# Altium PCB Udemy_Talat.PcbDoc (part 2 of 2)
Units mm, origin at the board's own origin, x right, y up, seen from the top; angles counter-clockwise.
Board outline 96.6 x 97 mm, 4 copper layers (Top Layer, GROUND, POWER, Bottom Layer), stack 1.369 mm thick; 127 components, 88 nets, 449 pads, 75 vias.
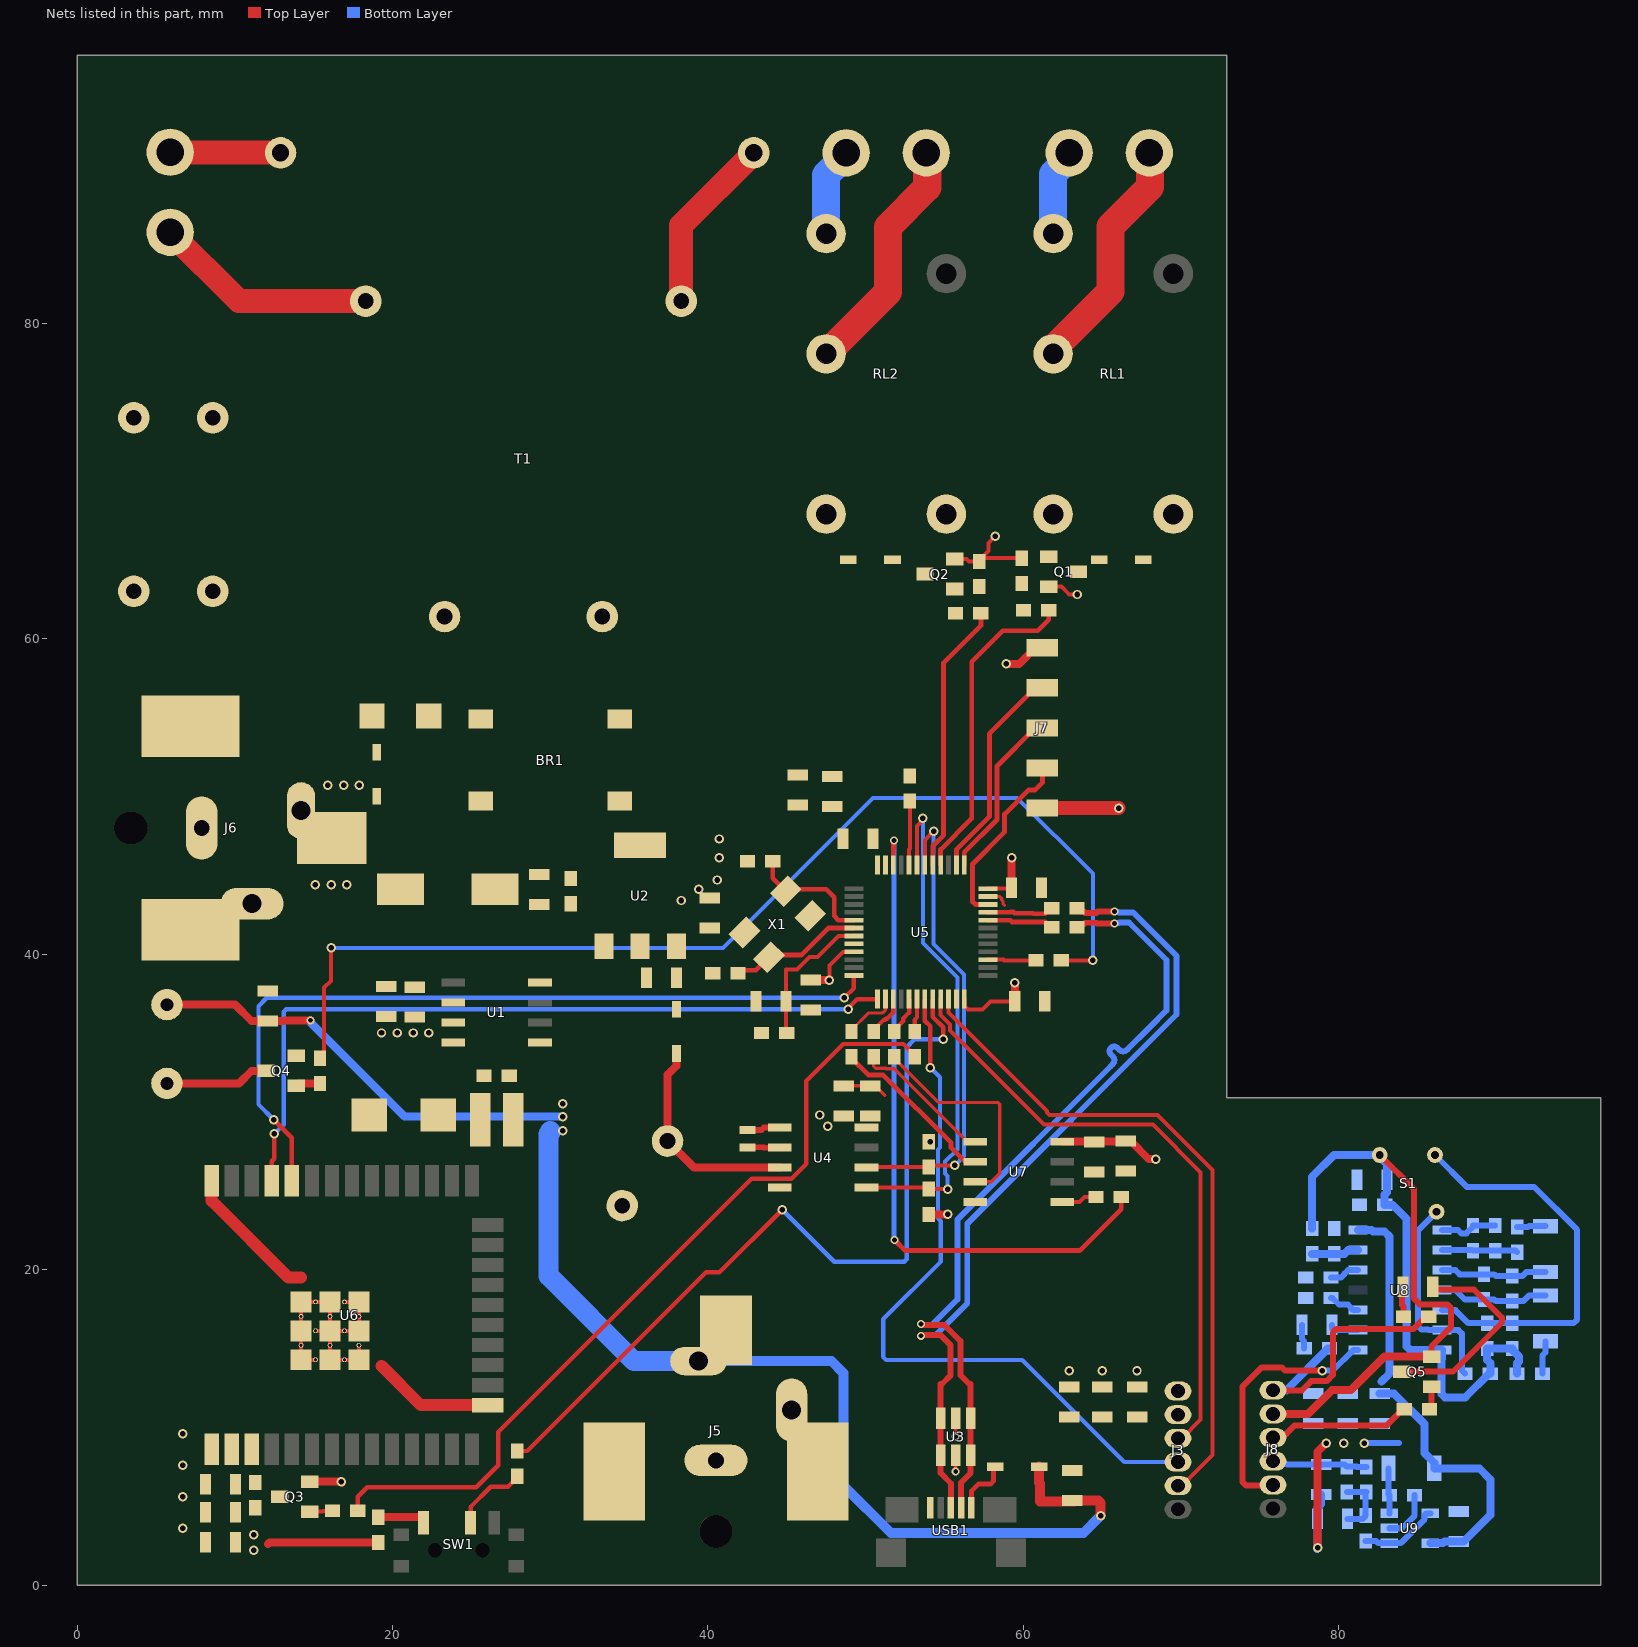
[diagram p4: the nets of this part, all layers, seen from the top]

## Part data (continued)
U8: library part NCS36000, "PIR Controller Low Noise Amplifiers and LDO Regulator 14-Pin SOIC N T/R", Case/Package=SOIC, Manufacturer="ON Semiconductor", Max Operating Temperature=85°C, Max Supply Voltage=5.75V, Min Operating Temperature=-40°C, Min Supply Voltage=3V, Operating Supply Current=50uA, Package Quantity=1, Quiescent Current=20uA, Supplier Part Number 1=NCS36000DRGOSCT-ND, Category="Amplifiers - Op Amps, Buffer, Instrumentation", ComponentLink1Description=https://datasheet.ciiva.com/1781/ncs36000-d-1781637.pdf?src-supplier=Digi-Key, ComponentLink1URL=https://datasheet.ciiva.com/1781/ncs36000-d-1781637.pdf?src-supplier=Digi-Key, ComponentLink2Description=https://datasheet.ciiva.com/4763/ncs36000-d-89569-4763639.pdf?src-supplier=Mouser, ComponentLink2URL=https://datasheet.ciiva.com/4763/ncs36000-d-89569-4763639.pdf?src-supplier=Mouser, ComponentLink3Description=https://datasheet.ciiva.com/1781/ncs36000-d-1781638.pdf?src-supplier=Digi-Key, ComponentLink3URL=https://datasheet.ciiva.com/1781/ncs36000-d-1781638.pdf?src-supplier=Digi-Key, ComponentLink4Description=https://datasheet.ciiva.com/1781/ncs36000-d-1781639.pdf?src-supplier=Digi-Key, ComponentLink4URL=https://datasheet.ciiva.com/1781/ncs36000-d-1781639.pdf?src-supplier=Digi-Key, ComponentLink5Description=https://datasheet.ciiva.com/26166/ncs36000-d-26166711.pdf?src-supplier=Avnet+Europe, ComponentLink5URL=https://datasheet.ciiva.com/26166/ncs36000-d-26166711.pdf?src-supplier=Avnet+Europe, ComponentLink6Description=https://datasheet.ciiva.com/2965/ncs36000-d-2965212.pdf?src-supplier=Avnet, ComponentLink6URL=https://datasheet.ciiva.com/2965/ncs36000-d-2965212.pdf?src-supplier=Avnet, ComponentLink7Description=https://datasheet.ciiva.com/2966/ncs36000-d-2966525.pdf?src-supplier=Avnet, ComponentLink7URL=https://datasheet.ciiva.com/2966/ncs36000-d-2966525.pdf?src-supplier=Avnet, Designed by=TALAT, Halogen Free="Halogen Free", Height=1.5mm, Lead Free="Lead Free", Length=8.75mm, Manufacturer Part Number=NCS36000DRG, Number of Pins=14, Output Type=Digital, Packaging="Tape and Reel", Pricing 1="1=1,00000, 10=0,89400, 25=0,84880, 100=0,65180, 250=0,57600, 500=0,54568, 1000=0,42442 (USD)", Radiation Hardening=No, REACH SVHC="No SVHC", RoHS=Yes, RoHS Compliant=Yes, Series=-, Stock 1=36750, Supplier 1=Digi-Key, Width=4mm, Input Type=DIGITAL
U9: library part OPA314, "Op Amp OPA314", Case/Package=SOT-23-5, Manufacturer="Texas Instruments", Max Dual Supply Voltage=2.75V, Max Operating Temperature=125°C, Max Supply Voltage=5.5V, Max I/O Voltage=2.5mV, Min Dual Supply Voltage=900mV, Min Operating Temperature=-40°C, Min Supply Voltage=1.8V, Nominal Supply Current=150uA, Output Current=20mA, Package Quantity=1, Power Supply Rejection Ratio (PSRR)=78dB, Supplier Part Number 1=296-36699-1-ND, Voltage Gain=128dB, Input Bias Current=10pA, Amplifier Type="GENERAL PURPOSE", Category="Amplifiers - Op Amps, Buffer, Instrumentation", Common Mode Rejection Ratio=75dB, ComponentLink1Description=https://datasheet.ciiva.com/14462/opa2314-14462006.pdf?src-supplier=Avnet, ComponentLink1URL=https://datasheet.ciiva.com/14462/opa2314-14462006.pdf?src-supplier=Avnet, ComponentLink2Description=https://datasheet.ciiva.com/26226/opa2314-26226295.pdf?src-supplier=Avnet+Europe, ComponentLink2URL=https://datasheet.ciiva.com/26226/opa2314-26226295.pdf?src-supplier=Avnet+Europe, ComponentLink3Description=https://datasheet.ciiva.com/14456/opa2314-14456281.pdf?src-supplier=Avnet, ComponentLink3URL=https://datasheet.ciiva.com/14456/opa2314-14456281.pdf?src-supplier=Avnet, ComponentLink4Description=https://datasheet.ciiva.com/29638/opa314-29638827.pdf?src-supplier=Digi-Key, ComponentLink4URL=https://datasheet.ciiva.com/29638/opa314-29638827.pdf?src-supplier=Digi-Key, Contact Plating=Gold, Designed by=TALAT, Gain Bandwidth Product=3MHz, Lead Free="Lead Free", Manufacturer Part Number=OPA314AIDBVR, Nominal Gain Bandwidth Product=3MHz, Number of Channels=1, Number of Circuits=1, Number of Elements=1, Number of Pins=5, Operating Supply Current=150uA, Output Current per Channel=20mA, Packaging="Tape and Reel", Pricing 1="1=1,06000, 10=0,95100, 25=0,90240, 100=0,69280, 250=0,61224, 500=0,58004, 1000=0,45114 (USD)", Radiation Hardening=No, RoHS=Yes, RoHS Compliant=Yes, Series=-, Slew Rate=1.5V/µs, Stock 1=964, Supplier 1=Digi-Key, Supply Current=150uA, Technology=CMOS, Unity Gain Bandwidth Product=3MHz, Input Offset Voltage (Vos)=2.5mV
USB1: library part "Micro B USB Connector", "CONN RCPT USB2.0 MICRO B SMD R/A", Color=Black, Current Rating=1.8A, Flammability Rating="UL94 V-0", Manufacturer="Amphenol FCI", Max Operating Temperature=85°C, Max Voltage Rating (AC)=100V, Min Operating Temperature=-55°C, Package Quantity=1400, Supplier Part Number 1=609-4613-2-ND, Insulation Resistance=1GR, Category="USB Connectors", ComponentLink1Description=https://datasheet.ciiva.com/26853/getdatasheetpartid-418041-26853891.pdf?src-supplier=Verical, ComponentLink1URL=https://datasheet.ciiva.com/26853/getdatasheetpartid-418041-26853891.pdf?src-supplier=Verical, ComponentLink2Description=https://datasheet.ciiva.com/851/10118192-851112.pdf?src-supplier=Digi-Key, ComponentLink2URL=https://datasheet.ciiva.com/851/10118192-851112.pdf?src-supplier=Digi-Key, ComponentLink3Description=https://datasheet.ciiva.com/4598/10118192ac-197249-4598796.pdf?src-supplier=Mouser, ComponentLink3URL=https://datasheet.ciiva.com/4598/10118192ac-197249-4598796.pdf?src-supplier=Mouser, Connector Type=USB,Receptacle, Contact Material="Copper Alloy", Contact Plating=Gold, Depth=5.57mm, Designed by=TALAT, Features=Shielded, Gender=Receptacle, Housing Material=Polymer, Lead Free="Lead Free", Length=7.86mm, Manufacturer Part Number=10118192-0001LF, Mount="Surface Mount,Horizontal", Number of Contacts=5, Number of Ports=1, Number of Terminals/Pins=5, Orientation="Right Angle", Packaging="Tape and Reel", Pitch=0.65mm, Pricing 1="1400=0,22558, 2800=0,20624, 7000=0,19335, 9800=0,18046, 14000=0,17402, 35000=0,17144 (USD)", Radiation Hardening=No, REACH SVHC="No SVHC", RoHS=Yes, Stock 1=158200, Supplier 1=Digi-Key, Termination=Solder, USB Standard="USB 2.0", Voltage Rating=100V
X1: library part "CRYSTAL 16MHz", "CRYSTAL 16.0000MHZ 20PF SMD", Case/Package=SMD/SMT, ESR (Equivalent Series Resistance)=50R, Frequency=16MHz, Frequency Stability=50ppm, Frequency Tolerance=30ppm, Load Capacitance=20pF, Manufacturer="ECS International", Max Operating Temperature=70°C, Min Operating Temperature=-20°C, Package Quantity=1, Supplier Part Number 1=XC1120CT-ND, Category=Crystals, ComponentLink1Description=https://datasheet.ciiva.com/853/ecx-53b-853408.pdf?src-supplier=Digi-Key, ComponentLink1URL=https://datasheet.ciiva.com/853/ecx-53b-853408.pdf?src-supplier=Digi-Key, ComponentLink2Description=https://datasheet.ciiva.com/853/ecx-53b-853406.pdf?src-supplier=Digi-Key, ComponentLink2URL=https://datasheet.ciiva.com/853/ecx-53b-853406.pdf?src-supplier=Digi-Key, ComponentLink3Description=https://datasheet.ciiva.com/853/ecx-53b-853407.pdf?src-supplier=Digi-Key, ComponentLink3URL=https://datasheet.ciiva.com/853/ecx-53b-853407.pdf?src-supplier=Digi-Key, Designed by=TALAT, Height=0.033inch, Lead Free="Lead Free", Length=0.197inch, Manufacturer Part Number=ECS-160-20-30B-TR, Mount="Surface Mount", Packaging="Tape and Reel", Pricing 1="1=1,33000, 10=1,26800, 50=1,23900, 100=1,06200, 500=1,03250 (USD)", RoHS=Yes, RoHS Compliant=Yes, Series=ECX-53B, Stock 1=15303, Supplier 1=Digi-Key, Termination=SMD/SMT, Tolerance=50ppm, Width=0.126inch
X2: library part "CRYSTAL 32768kHZ", "Crystal, 32.768 kHz, SMD, 1.6mm x 1mm, 12.5 pF, 20 ppm, ABS05 Series", Case/Package=SMD/SMT, ESR (Equivalent Series Resistance)=90kR, Frequency=32.768kHz, Frequency Tolerance=20ppm, Load Capacitance=12.5pF, Manufacturer=Abracon, Max Operating Temperature=85°C, Min Operating Temperature=-40°C, Operating Frequency="32.768 kHz", Package Quantity=3000, Supplier Part Number 1=535-11899-1-ND, Category=Crystals, ComponentLink1Description=https://datasheet.ciiva.com/23810/abs05-23810480.pdf?src-supplier=Newark, ComponentLink1URL=https://datasheet.ciiva.com/23810/abs05-23810480.pdf?src-supplier=Newark, ComponentLink2Description=https://datasheet.ciiva.com/6728/abs05-6728949.pdf?src-supplier=Digi-Key, ComponentLink2URL=https://datasheet.ciiva.com/6728/abs05-6728949.pdf?src-supplier=Digi-Key, ComponentLink3Description=https://datasheet.ciiva.com/6728/abs05-6728950.pdf?src-supplier=Digi-Key, ComponentLink3URL=https://datasheet.ciiva.com/6728/abs05-6728950.pdf?src-supplier=Digi-Key, ComponentLink4Description=https://datasheet.ciiva.com/16411/abs05-16411149.pdf?src-supplier=Future+Electronics, ComponentLink4URL=https://datasheet.ciiva.com/16411/abs05-16411149.pdf?src-supplier=Future+Electronics, Depth=1mm, Designed by=TALAT, Height=0.02inch, Lead Free="Lead Free", Length=1.6mm, Manufacturer Part Number=ABS05-32.768KHZ-T, Mount="Surface Mount", Number of Pins=2, Packaging="Tape and Reel", Pricing 1="1=1,16000, 10=1,02500, 50=0,95760, 100=0,84630, 500=0,80180, 1000=0,66816 (USD)", Radiation Hardening=No, REACH SVHC="No SVHC", RoHS=Yes, RoHS Compliant=Yes, Series=ABS05, Series Resistance=90kR, Stock 1=180522, Supplier 1=Digi-Key, Termination=SMD/SMT, Tolerance=20ppm, Width=0.039inch

## Via types
v1: diameter 0.6, hole 0.35, Top Layer to Bottom Layer, 59 vias
v2: diameter 0.5, hole 0.3, Top Layer to Bottom Layer, 9 vias
v3: diameter 0.5, hole 0.3, Top Layer to POWER, 4 vias
v4: diameter 0.5, hole 0.3, POWER to Bottom Layer, 3 vias

## Nets (pads, with @x,y where several pads share a name; then routed paths per layer and width w, separated by ;. In a path a pad name is that pad's centre, name@x,y a point inside that pad or via, vN(x,y) a via of type N, cw(c..) or ccw(c..) an arc to the next point about the centre after c; other vN are vias at no path point)
3V3DC: C8.2 C9.2 C10.2 C13.2 C14.2 C19.2 C20.2 C21.2 C22.2 C23.2 C24.2 C25.2 C26.2 C27.2 C28.2 C29.2 C31.2 C32.2 D5.2 J3.1 J7.1 R6.1 R14.2 R15.2 R16.1 U2.3 U3.5 U4.8 U5.9 U5.24 U5.36 U5.48 U6.2 U7.8 | length 33.3
  Top Layer w0.254: v1(47.7,38.35) 47.7,39.281 48.546,40.127 49.227,40.127 U5.9@49.25,40.15 ; v3(55.7,7.2) U3.5@55.7,8.225 ; U5.24@56.25,37.15 56.25,36.7 56.474,36.476 57.398,36.476 57.922,37 C28.2@59.45,37 ; U5.36@57.75,44.15 59.2,44.15 C27.2@59.25,44.2
  Top Layer w0.508: 12.1,2.6 12.2,2.7 R6.1@19.1,2.7 ; C29.2@46.5,38.35 v1(47.7,38.35) ; R14.2@54,23.5 v1(55.2,23.5) ; R15.2@54,28.1 v1(54.094,28.1) ; C27.2@59.25,44.2 v1(59.25,46.1) ; C28.2@59.45,37 v1(59.45,38.2) ; U7.8@62.45,28.105 66.455,28.105 C31.2@66.5,28.15 66.8,28.15 67.95,27 v1(68.4,27)
  Top Layer w0.889: J7.1@61.2,49.26 v1(66.04,49.26)
  other v1: 11.2,2.2 11.2,3.2 62.9,13.6 65,13.6 67.2,13.6 47.6,29.1 47.1,29.8 38.3,43.4 39.4,44.1 40.6,44.7 40.7,46.1 40.7,47.3
  other v2: 55.7,7.2
3V3DC_S: C34.2 C35.2 C40.2 C41.2 C42.2 C45.2 J8.1 R24.2 R26.2 R32.2 RT1.2 U8.14 U9.5 | length 47
  Top Layer w0.381: J8.1@75.821,12.347 77.66,12.347 78.244,12.932 79.223,12.932 79.614,13.323 79.614,16.015 79.838,16.238 84.735,16.238 85.294,16.797 85.497,16.797 R32.2@85.7,17
  Bottom Layer w0.508: J8.1@75.821,12.347 76.659,12.347 79.311,15 R26.2@79.4,15 ; U8.14@81.214,22.512 82.058,22.512 82.17,22.4 82.902,22.4 83.2,22.102 83.2,13.4 82.7,12.9 ; C42.2@82.574,12.153 83.478,12.153 85.42,10.211 85.42,8.38 86.05,7.75 RT1.2@86.05,7.4 88.9,7.4 89.6,6.7 89.6,4.45 87.9,2.75 C45.2@87.6,2.75 86.704,2.75 86.604,2.65 U9.5@85.8,2.65
5VDC: BZ1.2 C5.2 C6.1 C11.2 C12.2 C30.2 D3.1 J5.1 L1.2 U1.4 U2.1 | length 90.8
  Top Layer w0.508: BZ1.2@5.7,36.8 10.019,36.8 11.069,35.75 C30.2@12.1,35.75 13.131,35.75 13.181,35.8 v2(14.8,35.8)
  Top Layer w0.635: D3.1@61,7.5 61,6.5 61.05,6.45 61.05,5.3 C5.2@63.2,5.3 ; C5.2@63.1,5.35 64.75,5.35 64.9,5.2 v1(64.9,4.4)
  Bottom Layer w0.508: v2(14.8,35.8) 14.8,35.665 20.765,29.7 v1(30.8,29.7)
  Bottom Layer w0.635: J5.1@39.4,14.2 47.828,14.2 48.6,13.428 48.6,6.3 51.6,3.3 63.8,3.3 v1(64.9,4.4)
  Bottom Layer w1.27: 30,28.8 30,28.7 29.9,28.6 29.9,19.6 35.3,14.2 J5.1@39.4,14.2
  other v1: 30.8,28.8 30.8,30.5
  other v4: 14.8,35.8
12VDC: C3.2 C4.2 D1.1 D2.1 D8.1 J6.1 RL1.4 RL2.5 U1.7
  other v1: 19.3,35 20.3,35 21.3,35 22.3,35 15.1,44.4 16.1,44.4 17.1,44.4 15.9,50.7 16.9,50.7 17.9,50.7
AC_LINE_1: J1.1 R1.1 | length 7
  Top Layer w1.524: J1.1@5.9,90.84 5.92,90.82 12.88,90.82 R1.1@12.9,90.8
AC_LINE_2: J1.2 T1.5 | length 14.2
  Top Layer w1.524: J1.2@5.9,85.76 10.26,81.4 T1.5@18.3,81.4
BUZZER: R13.2 R22.1 | length 69
  Top Layer w0.254: R22.1@15.4,33.4 15.667,33.667 15.667,37.873 16.1,38.306 v1(16.1,40.4) ; R13.2@62.4,39.6 v1(64.4,39.6)
  Bottom Layer w0.254: v1(16.1,40.4) 40.963,40.4 50.463,49.9 59.6,49.9 64.4,45.1 v1(64.4,39.6)
GND: BR1.4 C1.2 C2.2 C3.1 C4.1 C5.1 C6.2 C8.1 C9.1 C10.1 C11.1 C12.1 C13.1 C14.1 C15.1 C16.1 C17.1 C18.2 C19.1 C20.1 C21.1 C22.1 C23.1 C24.1 C25.1 C26.1 C27.1 C28.1 C29.1 C30.1 C31.1 C32.1 D4.A J3.2 J5.2 J5.3 J6.2 J6.3 J7.5 Q1.2 Q2.2 Q3.2 Q4.2 R4.1 R5.1 R11.1 R12.1 U1.6 U2.2 U3.2 U4.4 U5.8 U5.23 U5.35 U5.47 U6.1 U6.15 U6.38 U6.39 U7.4 USB1.5 X1.2 X1.4 | length 53.7
  Top Layer w0.203: C20.1@48.6,31.65 C19.1@50.3,31.65 50.6,31.65 51.204,31.046 ; U5.35@57.75,43.65 58.502,43.65 58.621,43.531 58.621,43.434 58.702,43.352 58.702,43.198 58.8,43.1
  Top Layer w0.254: U6.39@15.117,14.283 U6.39@14.2,14.283 U6.39@14.2,15.2 U6.39@14.2,16.118 U6.39@14.2,17.035 U6.39@14.2,17.953 U6.39@15.117,17.953 U6.39@16.035,17.953 U6.39@16.035,17.035 U6.39@16.035,16.118 ; U6.39@15.117,16.118 U6.39@16.035,16.118 ; U6.39@16.952,17.953 U6.39@17.87,17.953 U6.39@17.87,17.035 U6.39@17.87,16.118 U6.39@16.952,16.118 U6.39@16.035,16.118 ; U6.39@17.87,15.2 U6.39@17.87,14.283 U6.39@16.952,14.283 U6.39@16.035,14.283 U6.39@16.035,15.2 U6.39@16.035,16.118 ; Q2.2@55.645,65.05 56.402,65.05 56.552,64.9 R5.1@57.2,64.9 ; v3(55.7,9.409) U3.2@55.7,10.575 ; v1(58.2,66.5) 57.773,66.073 57.773,65.562 57.2,64.989 R5.1@57.2,64.9 ; R4.1@59.9,65.1 57.4,65.1 R5.1@57.2,64.9 ; Q1.2@61.6,63.3 62.404,63.3 62.904,62.8 v1(63.4,62.8)
  Top Layer w0.508: Q3.2@14.745,6.55 v1(16.75,6.55) v1@16.8,6.5 ; v1(58.9,58.4) 59.73,58.4 60.75,59.42 J7.5@61.2,59.42
  Top Layer w0.762: U6.38@8.535,25.618 8.535,24.364 13.399,19.5 14.2,19.5 ; 19.3,13.9 21.797,11.403 U6.15@26.045,11.403
  other v1: 6.7,3.6 6.7,5.6 6.7,7.6 6.7,9.6
  other v2: 55.7,9.409
GND_S: C34.1 C35.1 C37.1 C40.1 C41.1 C42.1 C43.1 C44.1 C45.1 C46.1 C47.1 J8.2 Q5.2 R28.1 R29.1 R30.2 R31.1 R36.1 S1.3 U8.7 U9.2 | length 79.1
  Top Layer w0.381: S1.3@82.592,27.265 84.768,25.089 84.768,18.155 85.123,17.8 86.877,17.8 87.1,17.577 87.1,16.354 85.883,15.137 Q5.2@85.883,14.483
  Top Layer w0.508: J8.2@75.821,10.847 78.047,10.847 79.573,12.373 80.773,12.373 82.883,14.483 Q5.2@85.883,14.483 ; v1(78.65,2.35) 78.65,8.45 v1(79.2,9)
  Bottom Layer w0.381: v1(81.6,9) 83.8,9 ; U9.2@83.2,3.6 84.004,3.6 84.8,4.396 R36.1@84.8,5.7
  Bottom Layer w0.508: C37.1@78.3,22.6 78.3,25.882 79.683,27.265 S1.3@82.592,27.265 82.592,27.132 83.05,26.674 C35.1@83.05,25.7 83.05,24.898 82.9,24.748 C34.1@82.9,24.1 83.414,24.1 84.3,23.214 84.3,15.115 84.523,14.892 U8.7@86.534,14.892 86.534,14.348 86.5,14.314 86.5,12.123 86.723,11.9 88.011,11.9 89.511,13.4 C43.1@89.6,13.4 89.6,14.063 89.4,14.263 R31.1@89.4,15 C44.1@91,15 91,14.911 91.415,14.496 91.415,14.18 91.3,14.064 R30.2@91.3,13.4 ; v1@78.6,2.3 v1(78.65,2.35) C46.1@78.65,4.2 78.65,4.916 78.877,5.143 C47.1@78.877,5.747
  other v1: 80.3,9
LED_DRIVER: J3.3 U5.21 | length 39.5
  Top Layer w0.254: U5.21@54.75,37.15 54.75,36.147 55.356,35.542 55.356,35.144 61.3,29.2 68.2,29.2 71.231,26.169 71.231,10.481 70.05,9.3 J3.3@69.8,9.3
LED_S: J8.3 R37.1 | length 9.1
  Top Layer w0.381: J8.3@75.821,9.347 76.064,9.591 76.662,9.591 77.201,10.13 83.046,10.13 84.049,11.133 R37.1@84.138,11.133
LIGHT_1_GND: J2.2 RL2.3 | length 5.6
  Bottom Layer w1.778: RL2.3@47.49,85.68 47.49,89.41 48.76,90.68 J2.2@48.76,90.8
LIGHT_1_VCC: J2.1 RL2.2 | length 15.4
  Top Layer w1.778: RL2.2@47.49,78.06 51.4,81.97 51.4,86.1 53.9,88.6 53.9,90.74 J2.1@53.84,90.8
LIGHT_2_GND: J4.2 RL1.3 | length 5.5
  Bottom Layer w1.778: RL1.3@61.88,85.68 61.88,89.449 62.9,90.469 J4.2@62.9,90.8
LIGHT_2_VCC: J4.1 RL1.2 | length 15.4
  Top Layer w1.778: RL1.2@61.6,78.09 65.51,82 65.51,86.13 68.01,88.63 68.01,90.77 J4.1@67.95,90.83
MCU_N: R8.1 U5.32 | length 4.2
  Top Layer w0.305: U5.32@57.75,42.15 59.159,42.15 ; 59.159,42.137 59.172,42.137 59.266,42.043 60.856,42.043 61.368,42.043 61.711,41.7 R8.1@61.8,41.7
MCU_P: R9.1 U5.33 | length 4.2
  Top Layer w0.305: U5.33@57.75,42.65 59.159,42.65 ; 59.159,42.663 59.372,42.663 59.439,42.596 60.605,42.596 60.644,42.557 61.368,42.557 61.711,42.9 R9.1@61.8,42.9
NetBR1_1: BR1.1 T1.9
NetBR1_2: BR1.2 T1.7
NetBR1_3: BR1.3 F1.1
NetBZ1_1: BZ1.1 Q4.3 | length 6.6
  Top Layer w0.508: BZ1.1@5.7,31.8 10.269,31.8 11.069,32.6 Q4.3@12,32.6
NetC1_1: C1.1 C2.1 D8.2 F1.2
NetC7_1: C7.1 U1.1
NetC7_2: C7.2 D4.C L1.1 U1.8
NetC15_2: C15.2 U5.5 X1.3 | length 8.1
  Top Layer w0.305: C15.2@44.1,45.9 44.1,44.816 X1.3@44.93,43.986 45.054,44.11 47.49,44.11 48,43.6 48,42.419 48.269,42.15 U5.5@49.25,42.15
NetC16_2: C16.2 U5.6 X1.1 | length 8.5
  Top Layer w0.305: C16.2@41.9,38.8 42.079,38.979 43.035,38.979 X1.1@43.87,39.814 43.993,39.938 45.908,39.938 47.62,41.65 U5.6@49.25,41.65
NetC18_1: C18.1 D5.1 U4.3 | length 13.6
  Top Layer w0.508: D5.1@38,33.7 38,32.921 37.434,32.355 C18.1@37.434,28.148 39.117,26.465 U4.3@44.55,26.465
NetC33_1: C33.1 R23.1 R25.2 U8.2 | length 4.8
  Bottom Layer w0.381: U8.2@86.534,21.242 88.458,21.242 R23.1@88.5,21.2 89.148,21.2 C33.1@89.9,21.2 91.2,21.2 R25.2@91.3,21.1
NetC33_2: C33.2 R23.2 U8.1 | length 3.7
  Bottom Layer w0.381: U8.1@86.534,22.512 87.553,22.512 87.769,22.296 88.085,22.296 88.5,22.711 R23.2@88.5,22.8 89.148,22.8 C33.2@89.9,22.8
NetC36_1: C36.1 C38.1 R27.1 U8.3 | length 6.8
  Bottom Layer w0.381: U8.3@86.534,19.972 87.378,19.972 87.65,19.7 R27.1@89.2,19.7 89.848,19.7 89.948,19.6 C38.1@91,19.6 91.648,19.6 91.898,19.85 C36.1@93.1,19.85
NetC36_2: C36.2 R25.1 | length 1.8
  Bottom Layer w0.381: R25.1@91.3,22.7 91.996,22.7 92.046,22.75 C36.2@93.1,22.75
NetC37_2: C37.2 R24.1 U8.13 | length 3
  Bottom Layer w0.508: C37.2@78.3,21 R24.1@79.7,21 80.348,21 80.59,21.242 U8.13@81.214,21.242
NetC38_2: C38.2 C39.1 R27.2 U8.4 | length 7
  Bottom Layer w0.381: U8.4@86.534,18.702 87.378,18.702 87.98,18.1 R27.2@89.2,18.1 89.848,18.1 89.948,18 C38.2@91,18 91.696,18 92.046,18.35 C39.1@93.1,18.35
NetC39_2: C39.2 R30.1 | length 2.1
  Bottom Layer w0.381: R30.1@92.9,13.4 92.9,14.546 93.1,14.746 C39.2@93.1,15.45
NetC43_2: C43.2 S1.1 U8.6 | length 13.4
  Bottom Layer w0.381: S1.1@86.192,23.665 85,22.473 85,16.423 85.223,16.2 85.652,16.2 85.69,16.162 U8.6@86.534,16.162 87.577,16.162 87.8,15.939 87.8,13.6 C43.2@88,13.4
NetC44_2: C44.2 R31.2 S1.2 U8.5 | length 25.7
  Bottom Layer w0.381: S1.2@86.092,27.265 88.107,25.25 92.371,25.25 95.1,22.521 95.1,16.823 94.877,16.6 91,16.6 R31.2@89.4,16.6 88.21,16.6 87.378,17.432 U8.5@86.534,17.432
NetC46_2: C46.2 R33.1 R34.2 R35.1 | length 4
  Bottom Layer w0.381: R33.1@80.5,5.9 81.728,5.9 R35.1@81.737,5.891 81.7,5.854 R34.2@81.7,4.4 81.5,4.2 C46.2@80.55,4.2
NetD1_2: D1.2 Q1.3 RL1.5
NetD2_2: D2.2 Q2.3 RL2.4
NetD3_2: D3.2 USB1.1 | length 3.7
  Top Layer w0.305: USB1.1@56.7,4.9 56.7,5.956 57.144,6.4 57.921,6.4 58.1,6.579 D3.2@58.1,7.6
NetD6_1: D6.1 U8.9 | length 1.9
  Bottom Layer w0.381: D6.1@79.55,16.5 79.55,16.322 79.709,16.162 U8.9@81.214,16.162
NetD6_2: D6.2 R26.1 | length 1.6
  Bottom Layer w0.381: D6.2@77.65,16.5 77.65,15.596 77.8,15.446 R26.1@77.8,15
NetD7_1: D7.1 Q5.3 | length 13.1
  Top Layer w0.381: Q5.3@83.993,13.533 87.233,13.533 90.342,16.642 90.342,16.958 88.567,18.733 D7.1@85.888,18.733
NetD7_2: D7.2 R32.1 | length 2.2
  Top Layer w0.381: D7.2@83.988,18.733 83.988,17.759 84.1,17.648 R32.1@84.1,17 R32.1@84.189,17 ; D7.2@84.05,18.9 D7.2@84.05,19.2
NetJ3_5: J3.5 U5.22 | length 42.9
  Top Layer w0.254: U5.22@55.25,37.15 55.25,36.296 61.5,30.046 61.5,29.949 61.649,29.8 68.5,29.8 72,26.3 72,8.25 70.05,6.3 J3.5@69.8,6.3
NetJ8_5: J8.5 U8.8 | length 16.5
  Top Layer w0.381: J8.5@75.821,6.347 75.773,6.3 74.123,6.3 73.9,6.523 73.9,12.593 75.107,13.8 76.374,13.8 76.574,13.6 v1(78.946,13.6)
  Bottom Layer w0.381: v1(78.946,13.6) 79.622,13.6 80.914,14.892 U8.8@81.214,14.892
NetQ1_1: Q1.1 R2.2 R4.2
NetQ2_1: Q2.1 R3.2 R5.2
NetQ3_1: Q3.1 R18.2 | length 1.5
  Top Layer w0.254: Q3.1@14.745,4.65 15.549,4.65 15.599,4.7 R18.2@16.2,4.7
NetQ4_1: Q4.1 R22.2 | length 1.6
  Top Layer w0.508: Q4.1@13.89,31.65 14.036,31.796 14.667,31.796 14.671,31.8 R22.2@15.4,31.8
NetQ5_1: Q5.1 R37.2 | length 1.5
  Top Layer w0.381: R37.2@85.739,11.133 85.883,11.278 Q5.1@85.883,12.583
NetR1_2: R1.2 T1.1 | length 11.3
  Top Layer w1.524: T1.1@38.3,81.4 38.3,86.2 R1.2@42.9,90.8
NetR2_1: R2.1 U5.40 | length 20.3
  Top Layer w0.305: U5.40@54.75,45.65 54.75,46.631 56.725,48.606 56.725,58.525 58.7,60.5 60.896,60.5 61.6,61.204 R2.1@61.6,61.8
NetR3_1: R3.1 U5.41 | length 17.2
  Top Layer w0.305: U5.41@54.25,45.65 54.25,46.854 54.935,47.539 54.935,58.46 57.3,60.825 R3.1@57.3,61.6
NetR6_2: R6.2 SW1.1 | length 3.1
  Top Layer w0.508: R6.2@19.1,4.3 21.74,4.3 21.95,4.09 SW1.1@21.95,3.95
NetR7_1: R7.1 SW1.2 | length 4.8
  Top Layer w0.279: SW1.2@24.95,3.95 24.95,4.954 26.233,6.238 27.327,6.238 27.9,6.811 R7.1@27.9,6.9
NetR10_1: R10.1 U5.18 | length 2.1
  Top Layer w0.279: R10.1@53.1,35.1 53.1,35.837 53.25,35.987 U5.18@53.25,37.15
NetR12_2: R12.2 U5.44 | length 4.1
  Top Layer w0.254: U5.44@52.75,45.65 52.75,46.631 52.8,46.681 R12.2@52.8,49.7
NetR13_1: R13.1 U5.27 | length 3.1
  Top Layer w0.254: U5.27@57.75,39.65 58.731,39.65 58.781,39.6 R13.1@60.8,39.6
NetR17_1: R17.1 U7.1 | length 9
  Top Layer w0.203: R17.1@50.5,33.5 50.5,32.882 50.62,32.762 51.266,32.762 51.291,32.738 51.817,32.738 56.45,28.105 U7.1@56.95,28.105
NetR19_1: R19.1 U7.3 | length 14.1
  Top Layer w0.203: R19.1@51.8,33.5 51.8,33.411 54.611,30.6 58.381,30.6 58.5,30.481 58.5,26.111 57.954,25.565 U7.3@56.95,25.565
NetR20_1: R20.1 U7.2 | length 10.8
  Top Layer w0.305: R20.1@49.1,33.5 49.1,33.411 50.181,32.33 51.113,32.33 55.416,28.027 55.416,27.721 56.302,26.835 U7.2@56.95,26.835
NetR21_1: R21.1 U7.5 | length 2.3
  Top Layer w0.254: U7.5@62.45,24.295 63.558,24.295 63.863,24.6 R21.1@64.6,24.6
NetR28_2: R28.2 U8.12 | length 1.9
  Bottom Layer w0.381: R28.2@79.5,19.5 80.147,19.5 80.37,19.723 80.37,19.749 80.593,19.972 U8.12@81.214,19.972
NetR29_2: R29.2 U8.10 | length 2
  Bottom Layer w0.381: R29.2@79.5,18.2 79.589,18.2 80.004,17.785 80.561,17.785 80.914,17.432 U8.10@81.214,17.432
NetR34_1: R34.1 U9.1 U9.4 | length 5.1
  Bottom Layer w0.381: R34.1@81.7,2.8 82.348,2.8 82.498,2.65 U9.1@83.2,2.65 83.912,2.65 84.426,3.164 85.44,4.179 85.44,4.441 85.55,4.55 U9.4@85.8,4.55
NetR36_2: R36.2 RT1.1 U9.3 | length 2.9
  Bottom Layer w0.381: RT1.1@83.15,7.4 83.15,5.75 R36.2@83.2,5.7 83.2,5.052 ; U9.3@83.2,4.55 83.2,5.052
NetU4_1: U4.1 X2.2 | length 2.1
  Top Layer w0.356: X2.2@42.5,28.85 43.391,28.85 43.546,29.005 U4.1@44.55,29.005
NetU4_2: U4.2 X2.1 | length 2.1
  Top Layer w0.356: X2.1@42.5,27.75 43.531,27.75 43.546,27.735 U4.2@44.55,27.735
NRST: C17.2 R11.2 U5.7 | length 9.2
  Top Layer w0.254: R11.2@45,35 44.95,35.05 C17.2@44.95,37 44.95,39.031 45.647,39.031 46.447,39.831 46.95,39.831 48.269,41.15 U5.7@49.25,41.15
RTC_SCL: R15.1 U4.6 U5.42 | length 30.3
  Top Layer w0.254: U4.6@50.05,26.465 50.085,26.5 R15.1@54,26.5 54.1,26.6 v1(55.646,26.6) ; U5.42@53.75,45.65 53.75,47.25 54.3,47.8 v1(54.305,47.8)
  Bottom Layer w0.254: v1(54.305,47.8) 54.305,40.632 56.236,38.7 56.236,27.19 v1(55.646,26.6)
RTC_SDA: R14.1 U4.5 U5.43 | length 33.1
  Top Layer w0.254: U4.5@50.05,25.195 53.905,25.195 R14.1@54,25.1 54.775,25.1 ; U5.43@53.25,45.65 53.25,48.137 53.62,48.506 v1(53.62,48.6) ; 54.775,25.1 v1(55.2,25.1)
  Bottom Layer w0.254: v1(53.62,48.6) 53.62,40.706 55.805,38.521 55.805,27.614 55.041,26.851 55.041,26.101 55.2,25.943 v1(55.2,25.1)
SENSOR_ONOFF: R7.2 U5.20 | length 51.3
  Top Layer w0.279: R7.2@27.9,8.5 28.548,8.5 39.871,19.824 40.724,19.824 v1(44.7,23.8) ; U5.20@54.25,37.15 54.25,36.019 54.911,35.358 v1(54.911,34.6)
  Bottom Layer w0.279: v1(44.7,23.8) 48,20.5 52.436,20.5 52.6,20.664 52.6,34.1 53.1,34.6 v1(54.911,34.6)
SWCLK: J7.3 U5.37 | length 11
  Top Layer w0.305: U5.37@56.25,45.65 56.25,46.448 58.323,48.521 58.323,51.913 60.75,54.34 J7.3@61.2,54.34
SWDIO: J7.2 U5.34 | length 11.6
  Top Layer w0.305: U5.34@57.75,43.15 56.948,43.15 56.769,43.329 56.769,45.71 58.805,47.747 58.805,48.882 60.331,50.408 60.739,50.408 61.2,50.869 J7.2@61.2,51.8
TDI: J7.4 U5.38 | length 13.8
  Top Layer w0.305: U5.38@55.75,45.65 55.75,46.631 57.84,48.721 57.84,53.97 60.75,56.88 J7.4@61.2,56.88
TEMP_ADC: C47.2 J8.4 R33.2 R35.2 | length 6.1
  Bottom Layer w0.381: J8.4@75.821,7.847 75.996,7.672 76.678,7.672 76.703,7.647 C47.2@78.877,7.647 80.353,7.647 R33.2@80.5,7.5 81.148,7.5 81.157,7.491 R35.2@81.737,7.491
TEMP_IN_CS: R20.2 U5.14 | length 3.5
  Top Layer w0.203: R20.2@49.1,35.1 49.1,35.189 50.182,36.271 51.052,36.271 51.101,36.319 51.131,36.319 51.25,36.438 U5.14@51.25,37.15
TEMP_IN_OT: R21.2 U5.46 | length 43.4
  Top Layer w0.305: U5.46@51.75,45.65 51.75,46.631 51.763,46.644 51.763,47.163 v2(51.8,47.2) ; v2(51.825,21.875) 52.5,21.2 63.575,21.2 66.2,23.825 R21.2@66.2,24.6
  Bottom Layer w0.305: v2(51.8,47.2) 51.8,21.9 v2(51.825,21.875)
  other v4: 51.825,21.875 51.8,47.2
TEMP_IN_SCLK: R17.2 U5.15 | length 2.7
  Top Layer w0.279: R17.2@50.5,35.1 50.5,35.189 51.163,35.852 51.226,35.852 51.275,35.9 51.354,35.9 51.75,36.296 U5.15@51.75,37.15
TEMP_IN_SIO: R19.2 U5.17 | length 2.4
  Top Layer w0.279: R19.2@51.8,35.1 51.8,35.189 52.373,35.762 52.373,35.919 52.75,36.296 U5.17@52.75,37.15
TEMPERATURE_ADC: J3.4 U5.19 | length 46.2
  Top Layer w0.279: U5.19@53.75,37.15 53.75,35.775 54.1,35.425 v1(54.1,32.8)
  Bottom Layer w0.279: v1(54.1,32.8) 54.711,32.189 54.711,27.737 54.582,27.609 54.582,23.244 54.768,23.059 54.768,20.513 51.1,16.846 51.1,14.464 51.298,14.266 59.931,14.266 66.398,7.8 J3.4@69.8,7.8
USB_N: R8.2 U3.1 U3.6 USB1.2 | length 52
  Top Layer w0.373: v3(53.5,16.554) 53.534,16.554 53.598,16.491 54.983,16.491 56.014,15.46 56.014,13.3 ; USB1.2@56.05,4.9 56.039,4.911 56.039,6.487 56.65,7.098 U3.6@56.65,8.225 U3.1@56.65,10.575 56.65,12.75 56.564,12.75
  Top Layer w0.374: 56.014,13.3 56.564,12.75 ; R8.2@63.4,41.7 63.607,41.907 63.835,41.907 63.915,41.986 64.622,41.986 64.665,41.944 v2(65.768,41.944)
  Bottom Layer w0.373: v3(53.5,16.554) 53.534,16.554 53.598,16.491 54.191,16.491 55.808,18.108 55.808,23.169 65.52,32.88 65.652,33.012 ccw(c65.388,33.276) 65.652,33.54 65.546,33.646 cw(c65.749,33.85) 65.546,34.054 cw(c65.749,33.85) 65.953,34.054 66.059,33.948 ccw(c66.323,34.212) 66.587,33.948 67.97,35.33 69.073,36.433 69.073,39.627 66.693,42.007 66.054,42.007 66.015,41.968 65.792,41.968 v2(65.768,41.944)
  other v2: 53.5,16.554
USB_P: R9.2 U3.3 U3.4 USB1.3 | length 52
  Top Layer w0.373: v2(53.5,15.8) 53.534,15.8 53.598,15.863 54.723,15.863 55.386,15.2 55.386,13.3 54.836,12.75 54.75,12.75 U3.3@54.75,10.575 U3.4@54.75,8.225 54.75,7.098 55.411,6.437 55.411,4.911 USB1.3@55.4,4.9
  Top Layer w0.374: R9.2@63.4,42.9 63.607,42.693 63.836,42.693 63.915,42.614 64.622,42.614 64.706,42.698 v2(65.768,42.698)
  Bottom Layer w0.373: v2(53.5,15.8) 53.534,15.8 53.598,15.863 54.45,15.863 56.436,17.848 56.436,22.909 69.7,36.173 69.7,39.887 66.953,42.634 66.054,42.634 66.015,42.674 65.792,42.674 v2(65.768,42.698)
  other v3: 53.5,15.8
WIFI_EN: R10.2 R18.1 | length 52.8
  Top Layer w0.279: R18.1@17.8,4.7 17.8,5.6 18.4,6.2 25.3,6.2 26.7,7.6 26.7,9.7 42.762,25.762 45.297,25.762 46.232,26.698 46.232,31.957 48.575,34.3 52.389,34.3 53.1,33.589 R10.2@53.1,33.5
WIFI_OUT: Q3.3 R16.2 U6.3
WIFI_RXD: U5.12 U6.34 | length 51
  Top Layer w0.279: v1(12.473,29.5) 13.615,28.358 U6.34@13.615,25.618 ; v1(48.65,37.228) 48.65,37.243 49.25,37.843 U5.12@49.25,38.65
  Bottom Layer w0.279: v1(12.473,29.5) 11.5,30.473 11.5,36.7 12.028,37.228 v1(48.65,37.228)
WIFI_TXD: U5.13 U6.35 | length 49.1
  Top Layer w0.279: U6.35@12.345,25.618 12.345,26.872 12.5,27.027 v1(12.5,28.6) ; v1(48.9,36.5) 48.9,36.585 49.465,37.15 U5.13@50.75,37.15
  Bottom Layer w0.279: v1(12.5,28.6) 13.091,29.191 13.091,36.336 13.254,36.5 v1(48.9,36.5)
pads on no net: J3.6 J5. J6. J8.6 RL1.1 RL2.1 SW1. SW1.3 U1.2 U1.3 U1.5 U4.7 U5.1 U5.2 U5.3 U5.4 U5.10 U5.11 U5.16 U5.25 U5.26 U5.28 U5.29 U5.30 U5.31 U5.39 U5.45 U6.4 U6.5 U6.6 U6.7 U6.8 U6.9 U6.10 U6.11 U6.12 U6.13 U6.14 U6.16 U6.17 U6.18 U6.19 U6.20 U6.21 U6.22 U6.23 U6.24 U6.25 U6.26 U6.27 U6.28 U6.29 U6.30 U6.31 U6.32 U6.33 U6.36 U6.37 U7.6 U7.7 U8.11 USB1. USB1.4

## Polygon pours and split planes (outlines as drawn)
GND_S on Top Layer "GND_S_L01_P014" (solid, pour order 14): 73.8,30.3 73.9,30.2 96.2,30.2 96.2,0.7 96.1,0.6 73.7,0.6
GND on Top Layer "GND_L01_P012" (solid, remove dead copper, pour order 12): 0.6,79.8 1,79.4 1,26.9 26.2,26.9 26.5,26.6 26.5,8.7 32.3,2.9 72.5,2.9 72.5,64.4 71.7,65.2 71.2,64.7 45.6,64.7 45.6,56.9 45.5,56.8 45.4,56.9 11.2,56.9 6,62.1 6.3,62.4 6.3,79.9 5,81.2 0.9,81.2 0.9,79.1
3V3DC on Top Layer "3V3DC_L01_P008" (solid, pour order 8): 36.859,35.616 37.059,35.416 38.759,35.416 39.159,35.816 39.159,42.466 39.459,42.766 40.459,42.766 41.359,43.666 41.359,49.466 42.259,50.366 48.559,50.366 49.959,48.966 49.959,45.741 50.526,45.174 50.9,45.1 50.9,50.025 49.459,51.466 49.459,51.766 48.759,52.466 42.759,52.466 40.059,49.766 40.059,45.766 38.559,44.266 36.859,44.266
GND on Top Layer "Top Layer-GND" (solid, pour order 11): 9,11.1 11.5,13.6 11.6,13.6 13.2,12 18.5,12 20.1,13.6 20,13.7 20,18.8 18.5,20.3 13.5,20.4 11.5,18.4 7.3,18.4 6.4,17.5 6.4,2.6 7.6,1.4 8.6,1.4 9,1.7
5VDC on Top Layer "Top Layer-5VDC" (solid, pour order 6): 33.7,39.1 33.9,39.1 34.5,39.7 34.5,41.3 32.1,43.7 29.3,43.7 28.3,44.7 28.3,45.6 27.8,46.1 24.7,46.1 24,45.4 24,41.7 28.3,37.4 31,37.4 31,33.2 29.3,31.5 27.1,31.5 26.8,31.2 26.8,27.3 30.244,27.3 34.5,31.45 34.5,36.7 32.897,38.303 28.8,40 26.95,41.85 28.15,43.05 31.456,40.337 33.307,39.1
NetC1_1 on Top Layer "NETC1_1_L01_P003" (solid, pour order 3): 19.7,56.8 19.7,52.1 19.4,51.8 18.324,51.8 16.576,52.524 6.7,62.4 6.7,75.4 7.8,76.5 9.5,76.5 10.2,75.8 10.2,62.6 16.1,56.7 19.8,56.7
NetBR1_1 on Top Layer "NETBR1_1_L01_P001" (solid, pour order 1): 31.1,62.6 31.1,60.6 32.5,59.2 34.5,59.2 37.1,56.6 37.1,53.567 35.49,51.465 32.989,50.789 32.6,50.4 32.6,49.5 33,49.1 37.7,49.1 39.1,50.5 39.1,58.772 37.1,63.6 31.8,63.6
NetBR1_2 on Top Layer "NETBR1_2_L01_P000" (solid, pour order 0): 22.1,64.2 20.9,63 20.9,60.5 20.8,60.4 22.1,59.1 25.7,59.1 31.6,53.2 34.9,53.2 35.8,54.1 35.8,55.9 34.9,56.8 32.2,56.8 24.8,64.2
GND_S on Bottom Layer "GND_S_L04_P015" (solid, pour order 15): 73.9,30.4 96,30.4 96.2,30.2 96.2,0.9 73.7,0.9 73.6,0.8
GND on Bottom Layer "GND_L04_P013" (solid, pour order 13): 5.9,79.4 7.3,78 7.3,26.6 22.9,26.6 36.6,12.9 36.6,5 70.4,5 71.7,3.7 72.2,4.2 72.2,79.4 47.1,79.4 46,80.5 46,58 10.3,58 9.4,58.9 10.6,60.1 10.6,81.5 1.6,81.5 0,79.9 0.7,79.2 0.7,25.8 7.3,25.8 8.3,26.8
3V3DC on POWER (split plane): 12,58.7 45.1,58.7 45.1,69.8 45.801,69.8 45.201,69.199 45.156,69.141 45.128,69.073 45.118,69 45.118,56.717 40.683,52.282 13.2,52.282 13.174,52.278 13.147,52.277 13.137,52.274 13.127,52.272 13.103,52.262 13.077,52.254 13.069,52.248 13.059,52.244 13.038,52.228 13.016,52.213 13.009,52.206 13.001,52.199 12.985,52.178 12.967,52.158 11.267,49.658 11.262,49.649 11.256,49.641 11.246,49.616 11.234,49.593 11.232,49.583 11.228,49.573 11.224,49.547 11.219,49.521 11.22,49.51 11.218,49.5 11.218,46.7 11.228,46.627 11.256,46.559 11.301,46.501 17.118,40.683 17.118,35.9 17.128,35.827 17.148,35.779 17.156,35.759 17.201,35.701 18.901,34.001 18.959,33.956 19.027,33.928 19.1,33.918 22.3,33.918 22.373,33.928 22.421,33.948 22.441,33.956 22.499,34.001 22.999,34.501 23.044,34.559 23.052,34.579 23.072,34.627 23.082,34.7 23.082,40.483 27.717,45.118 30.2,45.118 30.273,45.128 30.321,45.148 30.341,45.156 30.399,45.201 34.617,49.418 45,49.418 45.073,49.428 45.141,49.456 45.199,49.501 53.499,57.801 53.544,57.859 53.572,57.927 53.573,57.936 53.582,58 53.582,58.183 55.699,60.301 55.744,60.359 55.772,60.427 55.782,60.5 55.782,62.021 55.8,62.018 68.1,62.018 68.173,62.028 68.241,62.056 68.299,62.101 71.299,65.101 71.344,65.159 71.372,65.227 71.382,65.3 71.382,69.8 72.39,69.8 72.39,30.9 72.399,30.8 72.428,30.705 72.476,30.616 72.539,30.539 72.616,30.476 72.705,30.428 72.8,30.399 72.818,30.398 72.818,0.51 0.51,0.51 0.51,81.5 12,81.5
12VDC on POWER (split plane): 70.818,65.417 67.983,62.582 55.917,62.582 55.699,62.799 55.641,62.844 55.621,62.852 55.573,62.872 55.5,62.882 55.427,62.872 55.359,62.844 55.301,62.799 55.256,62.741 55.228,62.673 55.218,62.6 55.218,60.617 53.101,58.499 53.056,58.441 53.048,58.421 53.028,58.373 53.018,58.3 53.018,58.117 44.883,49.982 34.5,49.982 34.436,49.973 34.427,49.972 34.399,49.961 34.359,49.944 34.346,49.934 34.301,49.899 30.083,45.682 27.6,45.682 27.527,45.672 27.479,45.652 27.459,45.644 27.401,45.599 22.601,40.799 22.556,40.741 22.528,40.673 22.518,40.6 22.518,34.817 22.183,34.482 19.217,34.482 17.682,36.017 17.682,40.8 17.672,40.873 17.644,40.941 17.599,40.999 11.782,46.817 11.782,49.413 13.349,51.718 40.8,51.718 40.873,51.728 40.941,51.756 40.999,51.801 45.599,56.401 45.644,56.459 45.656,56.487 45.672,56.527 45.682,56.6 45.682,68.883 46.599,69.8 48.801,69.8 50.218,68.383 50.218,65.3 50.228,65.227 50.248,65.179 50.256,65.159 50.301,65.101 50.501,64.901 50.559,64.856 50.627,64.828 50.7,64.818 66.9,64.818 66.973,64.828 67.041,64.856 67.099,64.901 67.499,65.301 67.544,65.359 67.572,65.427 67.582,65.5 67.582,68.383 68.999,69.8 70.818,69.8
3V3DC on POWER (split plane): 96.09,0.51 73.782,0.51 73.782,30.39 96.09,30.39
3V3DC on POWER (split plane): 67.101,68.699 67.056,68.641 67.028,68.573 67.018,68.5 67.018,65.617 66.783,65.382 50.817,65.382 50.782,65.417 50.782,68.5 50.772,68.573 50.744,68.641 50.699,68.699 49.599,69.8 68.201,69.8
GND on GROUND (split plane): 72.39,83.2 71.9,83.2 71.9,96.1 0.8,96.1 0.8,81.5 12,81.5 12,58.2 45.2,58.2 45.2,69.8 72.39,69.8 72.39,30.9 72.399,30.8 72.428,30.705 72.476,30.616 72.518,30.564 72.518,0.7 72.528,0.627 72.556,0.559 72.593,0.51 0.51,0.51 0.51,96.49 72.39,96.49
GND on GROUND (split plane): 96.09,0.51 73.682,0.51 73.682,30.3 73.672,30.373 73.665,30.39 96.09,30.39
GND on GROUND (split plane): 73.128,30.373 73.118,30.3 73.118,0.51 73.007,0.51 73.044,0.559 73.072,0.627 73.082,0.7 73.082,30.39 73.135,30.39

## Keep-outs
Keep-Out Layer:
  the board outline again, w0.254

## Other copper
Top Layer:
  region net LED_S: 76.9,9.5 76.4,10 74.9,10 74.9,8.9 75.1,8.7 76.4,8.7 76.9,9.2
  region net GND_S: 76.9,10.9 76.4,11.4 76.4,11.5 75,11.5 74.8,11.3 74.8,10.4 75,10.2 76.5,10.2 76.9,10.6
  region net 3V3DC_S: 76.9,12.5 76.4,13 76.4,13.1 75,13.1 74.7,12.8 74.7,12.1 75.1,11.7 76.4,11.7 76.9,12.2
  region net WIFI_OUT: 10.6,9.6 10.6,7.5 10.9,7.2 10.9,6 11.9,6 12.2,5.7 12.2,5.2 12.5,4.9 13.3,4.9 13.6,5.2 13.6,6.1 12.966,6.734 11.6,7.3 11.6,9.7 11.4,9.9 10.8,9.9 10.7,9.8
  region net 3V3DC: 9.3,2.3 9.9,1.7 14.1,1.7 14.6,2.2 14.6,3.1 14.1,3.6 11.9,3.6 11.9,5.6 11.7,5.8 10.5,5.8 10.3,6 10.3,9.8 9.4,9.8 9.3,9.7
  region net 12VDC: 70.4,69.5 68.7,69.5 67.5,68.3 67.5,66 66.6,65.1 66.6,64.5 67,64.1 68.8,64.1 71.1,66.4 71.1,68.7
  region net NetD1_2: 62.7,63.9 63.1,63.5 64.1,63.5 64.9,64.3 65.2,64.3 65.8,64.9 65.8,66.4 62.7,69.5 60.8,69.5 59.9,68.6 59.9,66.9 60.6,66.2 62.4,66.2 62.7,65.9
  region net NetQ1_1: 59.2,61.4 59.6,61 60.4,61 60.7,61.3 60.7,63.8 61.5,64.6 62.2,64.6 62.5,64.9 62.5,65.6 62.2,65.9 61.1,65.9 60.7,65.5 60.7,64.6 60.4,64.3 59.5,64.3 59.2,64
  region net NetQ2_1: 57.9,62.9 57.9,63.7 57.5,64.1 55.4,64.1 54.9,63.6 54.9,61.3 55.3,60.9 56.1,60.9 56.5,61.3 56.5,62.5 57.5,62.5
  region net NetD2_2: 51,65.321 51,64.4 51.9,63.5 54.5,63.5 54.5,65.2 56.6,67.3 56.6,69 55.8,69.8 54.94,69.8 53.507,69.038
  region net 12VDC: 49.7,68.6 48.6,69.7 46.5,69.7 45.4,68.6 45.4,65.8 46.8,64.4 49.3,64.4 49.7,64.8
  region net 3V3DC: 70.718,11.7 61.9,11.7 61.2,12.4 61.2,13.6 61.8,14.2 70.1,14.2 70.875,13.425
  region net 3V3DC: 51.25,30.05 51.25,28.8 50.85,28.4 47.65,28.4 46.65,29.4 46.65,30.7 46.95,31 50.3,31
  region net NetC7_1: 27.3,34.9 26.8,34.4 26.8,31.9 27,31.7 28.8,31.7 30.3,33.2 30.3,34.9
  region net NetC7_2: 24.9,34.8 23.3,34.8 23.049,34.549 21,29.603 21,28.5 22.1,27.4 25.9,27.4 26.5,28 26.5,34
  region net 12VDC: 24.9,35.4 24.9,35.9 24.6,36.2 22.6,36.2 21.9,36.9 18.9,36.9 18.4,36.4 18.4,35.4 19.3,34.5 22.4,34.5 23.1,35.2 24.6,35.2
  region net 12VDC: 18.68,51.2 13.4,51.2 12.2,50 12.2,46.7 15,43.9 17.189,43.9 19.436,47.314 19.344,50.554
  region net NetBR1_3: 21.5,56.6 21,56.1 21,54.2 21.7,53.5 26.4,53.5 27,54.1 27,56.1 26.5,56.6
Bottom Layer:
  region net 3V3DC_S: 79.2,21.9 79.3,22 82.1,22 82.1,25.7 81.1,26.7 79.8,26.7 79.2,26.1
  region net TEMP_ADC: 76.9,8 76.4,8.5 74.9,8.5 74.9,7.4 75.1,7.2 76.4,7.2 76.9,7.7
  region net GND_S: 74.8,11.4 76.9,11.4 77.5,10.8 83.2,10.8 83.6,10.4 83.6,9.8 82.4,8.6 78.9,8.6 77.3,10.2 75.1,10.2 74.8,10.5
  region net 3V3DC_S: 74.7,12.9 74.7,12.1 75.1,11.7 83.2,11.7 83.5,12 83.5,12.5 83.1,12.9
  region net 5VDC: 37.787,15.236 37.2,14.649 37.2,13.7 38.2,12.7 40.9,12.7 41.3,12.7 41.9,13.3 41.9,14.9 41.9,15 41.139,15.761 39.26,15.82
  region net 5VDC: 28.6,27.3 29.3,26.6 30.5,26.6 31.2,27.3
  region net 5VDC: 26.8,30.4 26.3,29.9 26.3,29.4 26.8,28.9
  region net 5VDC: 27.5,31.4 26.8,30.7 26.8,28.3 27.8,27.3 31.6,27.3 32.3,28 32.3,30.9 31.7,31.5 31.1,31.5
GROUND (plane layer: these items are gaps in the copper):
  rectangle: 42,69.8 72.6,83.2
  rectangle: 12,58.2 45.2,81.7
  rectangle: 0.8,81.5 71.9,96.1
  lines w0.559: 72.8,0.7 72.8,30.7 ; 73.4,0.2 73.4,30.3
POWER (plane layer: these items are gaps in the copper):
  rectangle: 0.3,81.5 72.6,97
  rectangle: 12,58.7 45.1,81.7
  rectangle: 42,69.8 72.6,83.2
  lines w0.559: 73.1,0.2 73.1,30.6 ; 73.5,0.1 73.5,30.8 ; 11.5,46.7 17.4,40.8 17.4,35.9 19.1,34.2 22.3,34.2 22.8,34.7 22.8,40.6 27.6,45.4 30.2,45.4 34.5,49.7 45,49.7 53.3,58 53.3,58.3 55.5,60.5 55.5,62.6 55.8,62.3 68.1,62.3 71.1,65.3 71.1,70.2 69.3,70.2 69,70.2 67.3,68.5 67.3,65.5 66.9,65.1 50.7,65.1 50.5,65.3 50.5,68.5 48.4,70.6 47,70.6 45.4,69 45.4,56.6 40.8,52 20,52 13.2,52 11.5,49.5 11.5,46.7

## Silkscreen, mask and mechanical layers (free items; w line width, h text height)
Top Overlay:
  drawing of 8082 lines, arcs and shapes, not listed
Route Tool Path:
  lines w0.559: 73.1,0.1 73.1,3.8 ; 73.1,5.3 73.1,8.9 ; 73.1,9.8 73.1,10.6 ; 73.1,11.5 73.1,12.1 ; 73.1,13.3 73.1,23.4 ; 73.1,24.5 73.1,25.1 ; 73.1,25.9 73.1,26.8 ; 73.1,28.2 73.1,30.9

## Text inside footprints (layer, text, board x,y; h text height)
BR1: Top Overlay "~" at 34.315,54.43 h1.52 r90; Top Overlay "~" at 34.215,49.23 h1.52 r90
J3: Top Overlay "1" at 71.846,14.504 h1.52 r90
J8: Bottom Overlay "1" at 73.775,14.551 h1.52 r270
S1: Top Overlay "G" at 83.004,28.351 h1; Top Overlay "S" at 87.104,26.051 h1; Top Overlay "D" at 84.504,23.251 h1
T1: Top Overlay "OUTPUT" at 39.054,56.154 h1; Top Overlay "INPUT" at 16.046,86.646 h1 r180